# Altium PCB Robot-MainBoard V4.0.PcbDoc (part 2 of 2)
Units mm, origin at the board's own origin, x right, y up, seen from the top; angles counter-clockwise.
Board outline 220 x 90 mm, 2 copper layers (Top Layer, Bottom Layer); 80 components, 69 nets, 291 pads, 118 vias.
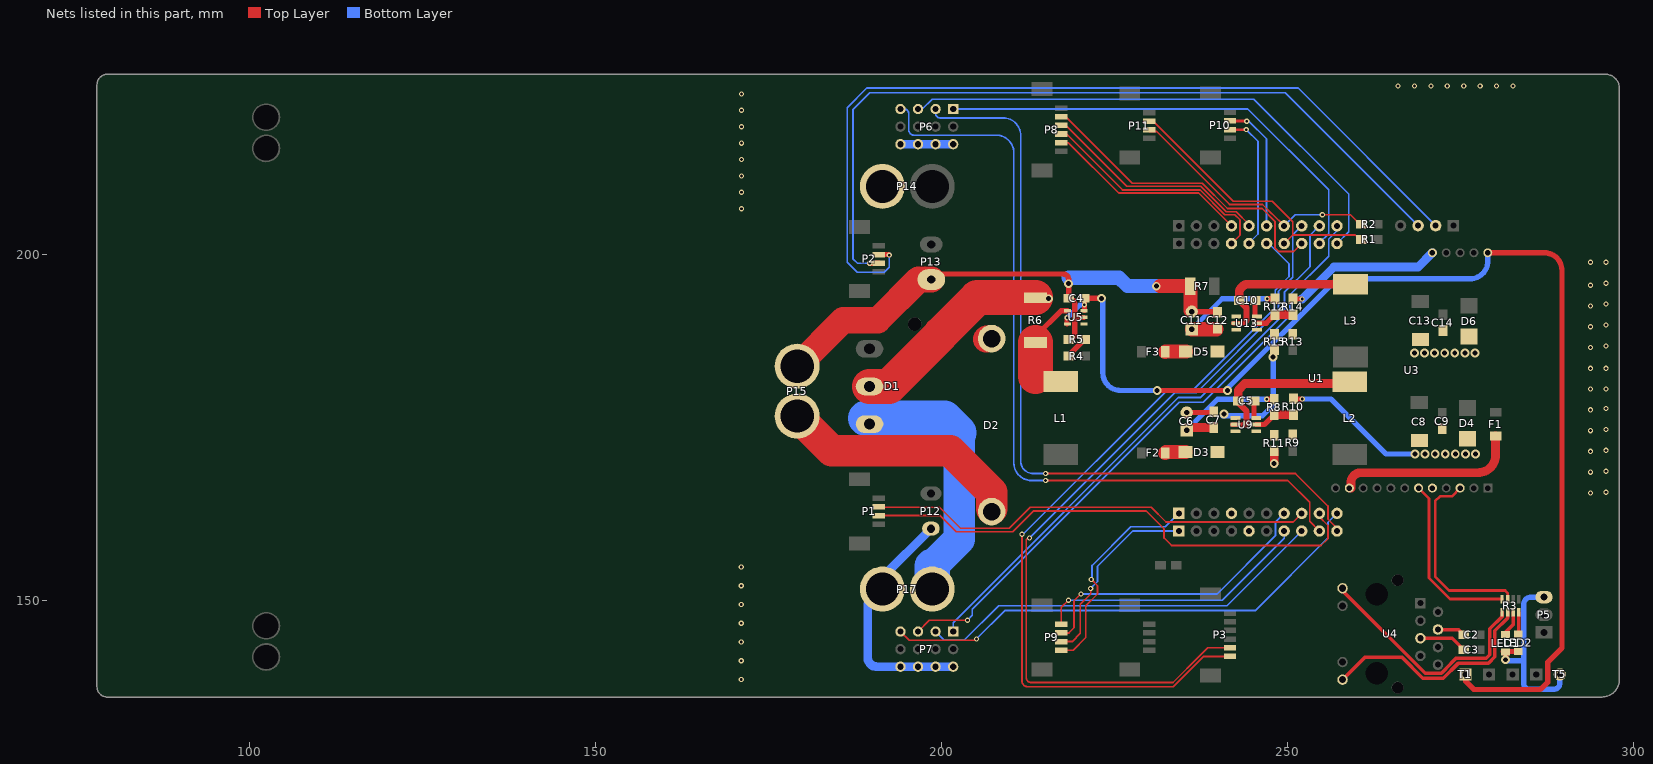
[diagram p2: the nets of this part, all layers, seen from the top]

## Via types
v1: diameter 0.762, hole 0.406, Top Layer to Bottom Layer, 58 vias
v2: diameter 1.27, hole 0.711, Top Layer to Bottom Layer, 49 vias
v3: diameter 0.762, hole 0.381, Top Layer to Bottom Layer, 11 vias

## Nets (pads, with @x,y where several pads share a name; then routed paths per layer and width w, separated by ;. In a path a pad name is that pad's centre, name@x,y a point inside that pad or via, vN(x,y) a via of type N, cw(c..) or ccw(c..) an arc to the next point about the centre after c; other vN are vias at no path point) (continued)
GND: C4.1 C6.2 C7.1 C8.2 C9.1 C11.2 C12.1 C13.2 C14.1 D4.1 D6.1 LED1.2 LED2.2 P5.3 P6.3 P6.6 P6.9 P6.12 P7.3 P7.6 P7.9 P7.12 P12.2 P13.2 P14.2 P15.2 P17.2 R5.2 R7.1 R10.1 R11.1 R14.1 R15.1 T5.1 U3.13 U5.2 U9.1 U13.1 | length 217.7
  Top Layer w0.762: P13.2@198.574,196.336 199.367,197.129 217.674,197.129 cw(c217.674,196.383) 218.42,196.383 v2(218.42,195.738) C4.1@218.42,193.624 cw(c218.42,192.73) 219.314,192.73 219.314,190.373 ; R5.2@218.433,187.675 ccw(c218.433,188.556) 219.314,188.556 219.314,190.373 ; U5.2@220.63,190.866 219.807,190.866 ccw(c219.807,190.373) 219.314,190.373 ; C6.2@235.482,177.114 239.267,177.114 C7.1@239.394,177.241 ; C11.2@236.219,191.694 C12.1@239.877,191.694 ; R14.1@250.829,193.536 v3(252.158,193.536) ; R10.1@250.905,179.083 v3(252.196,179.083) ; LED1.2@281.23,142.57 LED2.2@283.389,142.57 ; v2(281.574,141.387) LED1.2@281.574,142.534
  Top Layer w1.27: v2(248.126,169.774) R11.1@248.126,171.564
  Top Layer w2.032: v2@231.597,195.377 R7.1@236.017,195.377 C11.2@236.017,191.896
  Top Layer w3.81: P15.2@179.197,183.813 185.833,190.449 190.83,190.449 196.717,196.336 P13.2@198.574,196.336
  Bottom Layer w0.762: v2@240.69,176.657 246.431,176.657 248.005,178.231 248.005,185.091 v2(247.955,185.141) ; v3(252.196,179.083) 256.324,179.083 264.287,171.12 v2(268.478,171.12) ; v2(281.574,141.387) ccw(c281.711,141.387) 281.711,141.249 284.175,141.249 ; P5.3@287.12,150.435 285.26,150.435 ccw(c285.26,149.35) 284.175,149.35 284.175,141.249 ; T5.1@289.408,139.268 289.408,138.024 cw(c288.493,138.024) 288.493,137.109 285.064,137.109 cw(c285.064,137.998) 284.175,137.998 284.175,141.249
  Bottom Layer w1.27: P6.12@194.115,215.9 P6.9@196.655,215.9 P6.6@199.195,215.9 P6.3@201.735,215.9 ; P12.2@198.525,160.343 191.511,153.329 P17.2@191.511,151.613 189.382,149.484 189.382,141.732 ccw(c190.729,141.732) 190.729,140.386 P7.12@194.115,140.386 P7.9@196.655,140.386 P7.6@199.195,140.386 P7.3@201.735,140.386 ; v3(252.158,193.536) 256.768,198.145 268.928,198.145 U3.13@270.992,200.21
  Bottom Layer w2.032: 218.44,196.596 225.704,196.596 226.924,195.377 v2@231.597,195.377
  other v1: 171.1,138.544 171.1,141.253 171.1,143.963 171.1,146.672 171.1,149.381 171.1,152.091 171.1,154.8 293.853,165.506 296.088,165.608 293.853,168.506 296.088,168.628 293.853,171.505 296.088,171.649 293.853,174.505 296.088,174.669 293.853,177.504 296.088,177.689 293.853,180.504 296.088,180.504 293.853,183.503 296.088,183.503 293.853,186.503 296.088,186.75 293.853,189.502 296.088,189.77 293.853,192.502 296.088,192.791 293.853,195.501 296.088,195.811 293.853,198.831 296.088,198.831 171.148,206.575 171.148,208.944 171.148,211.314 171.148,213.683 171.148,216.053 171.148,218.422 171.148,220.792 171.148,223.161 266.027,224.3 268.4,224.3 270.773,224.3 273.146,224.3 275.519,224.3 277.892,224.3 280.265,224.3 282.639,224.3
  other v2: 269.934,171.12 271.391,171.12 272.847,171.12 274.303,171.12 275.759,171.12 277.216,171.12 240.868,176.911 268.402,185.725 269.858,185.725 271.314,185.725 272.771,185.725 274.227,185.725 275.683,185.725 277.139,185.725 231.089,195.377
I2C_SCL(E10): P1.2 U1.53 | length 65
  Top Layer w0.254: P1.2@190.999,163.478 191.042,163.436 199.764,163.436 202.8,160.4 209.864,160.4 212.9,163.436 230.364,163.436 232.5,161.3 250.865,161.3 U1.53@252.109,162.544
I2C_SDA(E12): P1.3 U1.52 | length 74.5
  Top Layer w0.254: P1.3@190.999,162.228 199.872,162.228 202.2,159.9 210.372,159.9 213.372,162.9 229.6,162.9 232.2,160.3 232.2,159 233.3,157.9 254.9,157.9 255.9,158.9 255.9,160.8 254.659,162.041 U1.52@254.659,162.544
IN_24V: C4.2 D1.2 R6.2 T1.1 U3.16 U5.3 U5.5 | length 202.1
  Top Layer w0.762: U5.5@218.2,189.946 v3(218.2,190.8) ; U5.3@220.7,191.886 v3(220.7,192.7) ; U5.3@220.706,191.892 C4.2@220.706,193.624 v2(223.164,193.624) ; v2(231.216,180.315) v2(241.376,180.315) ; T1.1@275.768,139.268 275.768,138.303 276.987,137.084 286.614,137.084 287.68,138.151 287.68,141.046 289.712,143.078 289.712,197.67 ccw(c287.172,197.67) 287.172,200.21 U3.16@278.992,200.21
  Top Layer w5.08: D1.2@189.648,180.883 192.474,180.883 199.923,188.333 199.923,188.423 205.223,193.723 R6.2@213.645,193.723
  Bottom Layer w0.762: v3(218.2,190.8) 220.1,192.7 v3(220.7,192.7) ; v2@223.368,193.624 223.368,182.855 ccw(c225.908,182.855) 225.908,180.315 v2(231.216,180.315) ; v2@241.236,180.48 257.2,196.444 276.452,196.444 ccw(c276.452,198.984) 278.992,198.984 U3.16@278.992,200.21
  other v2: 215.519,193.573
IO(D0): P11.2 R1.2 U1.7 | length 40
  Top Layer w0.254: P11.2@230.064,218.977 230.882,218.977 242.214,207.645 247.853,207.645 250.8,204.698 250.8,202.774 ; U1.7@249.569,201.542 250.8,202.774 ; R1.2@260.274,202.311 259.811,202.774 250.8,202.774
IO(D1): P11.3 R2.2 U1.14 | length 38
  Top Layer w0.254: P11.3@230.064,217.727 231.142,217.727 241.681,207.188 246.442,207.188 247.795,205.835 ; 247.811,205.85 U1.14@249.569,204.092 ; v1(255.092,205.689) 259.156,205.689 260.807,204.038 R2.2@261.087,204.038
  Bottom Layer w0.254: U1.14@249.569,204.092 251.191,205.715 v1@255.118,205.715
NetC2_2: C2.2 U4.4 | length 4
  Top Layer w0.508: U4.4@271.799,145.762 274.738,145.762 C2.2@275.5,145
NetC3_2: C3.2 U4.5 | length 6.9
  Top Layer w0.508: U4.5@269.259,144.492 273.849,144.492 C3.2@275.5,142.841
NetC5_1: C5.1 L2.1 U9.2 | length 23.8
  Top Layer w0.635: U9.2@242.087,175.377 243.803,175.377
  Top Layer w0.889: C5.1@242.925,178.511 244.144,177.292 244.144,175.717 cw(c243.803,175.717) 243.803,175.377
  Top Layer w1.27: C5.1@242.925,178.791 242.925,180.341 243.889,181.305 258.795,181.305 ccw(c258.795,181.565) L2.1@259.055,181.565
NetC5_2: C5.2 U9.6 | length 2.3
  Top Layer w0.762: U9.6@245.211,176.454 C5.2@245.211,178.791
NetC6_1: C6.1 C7.2 D3.2 R8.2 U9.3 | length 18.6
  Top Layer w0.762: v3(247.039,179.057) R8.2@248.126,179.057
  Top Layer w1.27: C6.1@235.482,174.574 cw(c235.863,174.574) 235.863,174.955 C7.2@239.394,174.955
  Bottom Layer w0.762: C6.1@235.482,174.574 239.965,179.057 v3(247.039,179.057)
NetC10_1: C10.1 L3.1 U13.2 | length 23.3
  Top Layer w0.635: U13.2@242.189,190.033 243.753,190.033 244.118,190.398
  Top Layer w0.889: C10.1@243.077,193.292 244.118,192.251 244.118,190.398
  Top Layer w1.27: C10.1@243.077,193.319 243.077,194.354 cw(c244.385,194.354) 244.385,195.662 L3.1@259.156,195.662
NetC10_2: C10.2 U13.6 | length 2.1
  Top Layer w0.762: U13.6@245.363,191.237 C10.2@245.363,193.319
NetC11_1: C11.1 C12.2 D5.2 R12.2 U13.3 | length 17.4
  Top Layer w0.762: v3(247.103,193.56) R12.2@248.228,193.56
  Top Layer w2.032: C11.1@236.219,189.154 C12.2@239.775,189.154
  Bottom Layer w0.762: C11.1@236.219,189.154 240.626,193.56 v3(247.103,193.56)
NetD2_1: D2.1 L1.1 R6.1 U5.4 | length 12.7
  Top Layer w0.762: R6.1@213.645,187.246 213.645,188.145 217.316,191.816 U5.4@218.23,191.816
  Top Layer w3.81: D2.1@206.5,187.7 206.6,187.8 D2.1@207.3,187.8
  Top Layer w5.08: 213.645,182.372 R6.1@213.645,187.246
NetD3_1: D3.1 F2.2 | length 3
  Top Layer w2.032: F2.2@232.384,171.272 232.511,171.399 D3.1@235.33,171.399
NetD5_1: D5.1 F3.2 | length 3
  Top Layer w2.032: F3.2@232.384,185.877 232.434,185.928 D5.1@235.355,185.928
NetLED1_1: LED1.1 R3.4 | length 3.8
  Top Layer w0.508: LED1.1@281.23,145.11 281.31,145.11 282.677,146.477 R3.4@282.677,148.245
NetLED2_1: LED2.1 R3.2 | length 3
  Top Layer w0.508: LED2.1@283.477,145.197 R3.2@283.477,148.245
NetR3_6: R3.6 U4.12 | length 33.1
  Top Layer w0.508: U4.12@258.009,138.522 261.245,141.757 266.598,141.757 269.621,138.735 272.582,138.735 274.696,140.849 274.696,140.889 279.095,140.889 280.011,141.805 280.011,145.569 281.877,147.434 R3.6@281.877,148.245
NetR3_8: R3.8 U4.9 | length 34.6
  Top Layer w0.508: U4.9@258.009,151.722 258.009,151.388 269.951,139.446 272.237,139.446 272.254,139.462 272.304,139.462 273.647,140.805 273.647,140.845 274.401,141.6 278.8,141.6 279.3,142.1 279.3,145.864 281.077,147.64 R3.8@281.077,148.245
NetR4_2: R4.2 R5.1 U5.1 | length 3.2
  Top Layer w0.762: R4.2@218.429,185.385 R5.1@220.719,187.675
NetR8_1: R8.1 R10.2 U9.5 | length 6
  Top Layer w0.762: U9.5@245.544,175.377 246.732,175.377 R8.1@248.126,176.771
  Top Layer w1.27: R8.1@248.126,176.771 248.152,176.797 R10.2@250.905,176.797
NetR9_1: R9.1 R11.2 U9.4
NetR12_1: R12.1 R14.2 U13.5 | length 5.7
  Top Layer w0.762: U13.5@245.645,190.033 246.986,190.033 R12.1@248.228,191.274
  Top Layer w1.27: R12.1@248.228,191.274 R14.2@250.804,191.274
NetR13_1: R13.1 R15.2 U13.4
PLC_3.3V: R3.7 U3.6 | length 25.5
  Top Layer w0.381: U3.6@268.992,166.21 268.992,166.208 270.5,164.7 270.5,153.2 273.535,150.165 R3.7@281.077,150.165
PLC_12V: F1.2 U3.11 | length 26.7
  Top Layer w1.27: U3.11@259.218,166.21 259.218,166.968 cw(c260.677,166.968) 260.677,168.427 277.584,168.427 ccw(c277.584,170.967) 280.124,170.967 F1.2@280.124,173.721
PLC_ETH: R3.5 U3.3 | length 27.6
  Top Layer w0.381: U3.3@274.992,166.21 273.8,165.018 272.118,165.018 271.4,164.3 271.4,153.4 273.4,151.4 281.5,151.4 281.877,151.023 R3.5@281.877,150.165
PLC_PWR: U3.5
POWER_24V: D1.3 P17.1 | length 38.6
  Bottom Layer w4.572: 198.711,154.911 202.6,158.8 202.6,174.2
  Bottom Layer w5.08: D1.3@189.1,176.3 200.5,176.3 202.6,174.2 ; P17.1@198.711,151.613 198.711,154.911
SPI1_MISO(B4): P8.4 U1.4 | length 34.9
  Top Layer w0.254: P8.4@217.364,217.372 218.137,217.372 226.212,209.296 237.402,209.296 241.008,205.689 242.443,205.689 243.18,204.953 243.18,202.763 U1.4@241.959,201.542
SPI1_MOSI(B5): P8.5 U1.17 | length 29.6
  Top Layer w0.254: P8.5@217.364,216.122 218.371,216.122 225.654,208.839 237.212,208.839 U1.17@241.959,204.092
SPI1_NSS(A15): P8.2 U1.8 | length 45.5
  Top Layer w0.254: P8.2@217.364,219.872 217.999,219.872 227.609,210.261 237.73,210.261 241.388,206.604 246.38,206.604 248.234,204.749 248.234,200.939 248.787,200.387 250.953,200.387 U1.8@252.109,201.542
SPI1_SCK(B3): P8.3 U1.16 | length 33.3
  Top Layer w0.254: P8.3@217.364,218.622 218.03,218.622 226.847,209.804 237.541,209.804 241.198,206.146 242.632,206.146 244.494,204.285 U1.16@244.494,204.092
SWD_SCK: P2.3 U1.63 | length 116.2
  Top Layer w0.762: v3(189.662,198.679) 189.686,198.703 P2.3@190.999,198.703
  Bottom Layer w0.254: v3(189.662,198.679) 187.909,198.679 187.249,199.339 187.249,220.904 189.662,223.317 249.733,223.317 U1.63@268.93,204.12
SWD_SDO: P2.2 U1.62 | length 127
  Top Layer w0.762: P2.2@190.999,199.953 192.401,199.953 v3(192.481,199.873)
  Bottom Layer w0.254: v3(192.481,199.873) 192.481,198.12 191.77,197.409 187.884,197.409 186.436,198.857 186.436,221.183 189.281,224.028 251.562,224.028 U1.62@271.47,204.12
T24.0V: D2.2 P15.1 | length 35.1
  Top Layer w4.572: P15.1@179.197,176.613 184.21,171.6 201.3,171.6 207.3,165.6 D2.2@207.3,163.2
TIM1(E9): P7.4 U1.48 | length 60
  Bottom Layer w0.254: P7.4@199.195,145.466 200.46,144.2 203.3,144.2 208.3,149.2 241.315,149.2 U1.48@252.109,159.994
TIM1(E11): P6.10 U1.49 | length 116.1
  Top Layer w0.254: v1(215.1,167.3) 250.1,167.3 253.264,164.136 253.264,161.388 U1.49@254.659,159.994
  Bottom Layer w0.254: P6.10@194.115,220.98 194.683,220.98 cw(c194.683,220.363) 195.3,220.363 195.3,218 ccw(c196.1,218) 196.1,217.2 207.96,217.2 cw(c207.96,214.66) 210.5,214.66 210.5,169.84 ccw(c213.04,169.84) 213.04,167.3 v1(215.1,167.3)
TIM1(E13): P6.4 U1.50 | length 113.3
  Top Layer w0.254: v1(215.1,168.3) 251.2,168.3 ; 251.2,168.3 255.9,163.6 255.9,161.7 257.199,160.401 U1.50@257.199,159.994
  Bottom Layer w0.254: P6.4@199.195,220.98 199.195,220.353 ccw(c199.847,220.353) 199.847,219.7 208.96,219.7 cw(c208.96,217.16) 211.5,217.16 211.5,170.1 ccw(c213.3,170.1) 213.3,168.3 v1(215.1,168.3)
TIM1(E14): P7.10 U1.51 | length 72.5
  Top Layer w0.254: P7.10@194.115,145.466 195.38,144.2 204.9,144.2 v1(205.1,144.4)
  Bottom Layer w0.254: v1(205.1,144.4) 209.2,148.5 245.4,148.5 255.9,159 255.9,161.245 U1.51@257.199,162.544
TIM3(B0): P9.1 U1.47 | length 39.8
  Top Layer w0.254: P9.1@217.364,146.521 217.364,148.964 v1(218.4,150)
  Bottom Layer w0.254: v1(218.4,150) 240.6,150 249.569,158.969 U1.47@249.569,159.994
TIM3(B1): P9.2 U1.54 | length 42.8
  Top Layer w0.254: P9.2@217.364,145.271 218.471,145.271 219.2,146 219.2,149.9 v1(220.2,150.9)
  Bottom Layer w0.254: v1(220.2,150.9) 239.9,150.9 248.3,159.3 248.3,161.275 U1.54@249.569,162.544
TIM4(D12): P6.7 U1.10 | length 76.4
  Bottom Layer w0.254: P6.7@196.655,220.98 197.28,220.98 198.7,222.4 245.2,222.4 258.9,208.7 258.9,203.244 U1.10@257.199,201.542
TIM4(D13): P7.7 U1.11 | length 89
  Top Layer w0.254: P7.7@196.655,145.466 198.289,147.1 v1(203.8,147.1)
  Bottom Layer w0.254: v1(203.8,147.1) 204.5,147.8 204.5,148.7 234.4,178.6 237.9,178.6 250.4,191.1 250.4,194.1 256,199.7 256,202.2 257.199,203.399 U1.11@257.199,204.092
TIM4(D14): P6.1 U1.9 | length 67.4
  Bottom Layer w0.254: P6.1@201.735,220.98 244.32,220.98 256,209.3 256,202.983 254.659,201.641 U1.9@254.659,201.542
TIM4(D15): P7.1 U1.12 | length 82.4
  Bottom Layer w0.254: P7.1@201.735,145.466 201.735,146.735 234.3,179.3 237.5,179.3 249.6,191.4 249.6,194.5 253.3,198.2 253.3,202.734 U1.12@254.659,204.092
TIM10(F6): P9.3 U1.41 | length 27.8
  Top Layer w0.254: P9.3@217.364,144.021 218.921,144.021 220.1,145.2 220.1,149.4 221.6,150.9 v1(221.6,151.7)
  Bottom Layer w0.254: v1(221.6,151.7) 222.6,152.7 222.6,154.9 227.694,159.994 U1.41@234.339,159.994
TIM11(F7): P9.4 U1.60 | length 31.6
  Top Layer w0.254: P9.4@217.364,142.771 219.071,142.771 220.9,144.6 220.9,149.2 222.6,150.9 222.6,152.1 v1(221.7,153)
  Bottom Layer w0.254: v1@221.8,152.8 221.8,155 227.4,160.6 232.395,160.6 U1.60@234.339,162.544
U1_RX(A10): U1.57
U1_TX(A9): U1.45
U5_RX(D2): P3.6 U1.6 | length 115.3
  Top Layer w0.254: P3.6@241.748,141.872 237.925,141.872 237.306,141.253 237.3,141.253 233.547,137.5 212.5,137.5 cw(c212.5,138.316) 211.684,138.316 v1(211.684,159.516) ; v1(211.684,159.516) ccw(c211.6,159.516) 211.6,159.6 v1(211.684,159.516)
  Bottom Layer w0.254: v1@211.9,159.6 232.8,180.5 236.5,180.5 248.285,192.285 248.285,194.804 250.266,196.785 250.266,198.603 247.326,201.542 U1.6@247.034,201.542
U5_TX(C12): P3.5 U1.13 | length 115.5
  Top Layer w0.254: v1@212.573,159 212.3,158.727 212.3,138.8 ccw(c213,138.8) 213,138.1 233.5,138.1 237.46,142.06 237.466,142.06 238.528,143.122 P3.5@241.748,143.122
  Bottom Layer w0.254: v1(212.775,159) 233.775,180 236.9,180 248.742,191.842 248.742,194.615 250.825,196.698 250.825,202.809 U1.13@252.109,204.092
U6_RX(G9): P10.2 U1.15 | length 18.9
  Top Layer w0.381: P10.2@241.748,219.257 244.116,219.257 v3(244.145,219.227)
  Bottom Layer w0.254: v3(244.145,219.227) 244.45,219.227 247.034,216.643 U1.15@247.034,204.092
U6_TX(G14): P10.3 U1.5 | length 20.1
  Top Layer w0.381: P10.3@241.748,218.007 241.75,218.008 v3(244.094,218.008)
  Bottom Layer w0.254: v3(244.094,218.008) 245.796,216.306 245.796,202.921 244.494,201.618 U1.5@244.494,201.542
pads on no net: D1.0 P1.0 P2.0 P3.0 P4.0 P6.5 P6.8 P6.11 P7.5 P7.8 P7.11 P8.0 P9.0 P10.0 P11.0 P16.0 P18.0 U1.1 U1.42 U1.44 U1.46 U1.55 U1.56 U1.58 U1.59 U3.0 U3.2 U3.4 U3.14 U3.15 U4.7 U4.MH3

## Polygon pours and split planes (outlines as drawn)
GND on Top Layer "Top Layer-No Net" (hatched 90Degree grid 0.762 track 0.254, remove dead copper, pour order 12): 170.1,218.8 170.1,226.96 cw(c172.64,226.96) 172.64,229.5 173.7,229.5 298.56,229.5 cw(c298.56,226.96) 301.1,226.96 301.1,213.5 301.1,135.74 cw(c298.56,135.74) 298.56,133.2 289.7,133.2 172.74,133.2 cw(c172.74,135.74) 170.2,135.74 170.2,141.4
GND on Bottom Layer "Top Layer-No Net" (hatched 90Degree grid 0.762 track 0.254, remove dead copper, pour order 14): 170,221.9 170,228.2 cw(c170.7,228.2) 170.7,228.9 297.96,228.9 cw(c297.96,226.36) 300.5,226.36 300.5,208.4 300.5,130.04 cw(c297.96,130.04) 297.96,127.5 283.8,127.5 172.54,127.5 cw(c172.54,130.04) 170,130.04 170,142

## Keep-outs
Keep-Out Layer:
  circle w0.254: c207.475,157.725 r1.5
  circle w0.254: c207.275,206.25 r1.5
  circle w0.254: c81,158 r1.5
  circle w0.254: c81,204 r1.5
  circle w0.254: c295,204 r1.5
  circle w0.254: c295,158 r1.5
  lines w0.254: 127.9,176.5 cw(c127.9,175.2) 129.2,175.2 129.2,142.79 cw(c127.91,142.79) 127.91,141.5 121.766,141.5 cw(c121.766,143.066) 120.2,143.066 120.2,175.489 cw(c121.211,175.489) 121.211,176.5 128,176.5 ; 129.2,219.4 ccw(c127.9,219.4) 127.9,220.7 121.291,220.7 ccw(c121.291,219.609) 120.2,219.609 120.2,187.892 ccw(c121.392,187.892) 121.392,186.7 127.91,186.7 ccw(c127.91,187.99) 129.2,187.99 129.2,219.5 ; 145.868,137.452 cw(c147.516,137.452) 147.516,139.1 154.92,139.1 cw(c154.92,137.452) 156.568,137.452 ; 146.86,224.549 ccw(c148.508,224.549) 148.508,222.901 155.912,222.901 ccw(c155.912,224.549) 157.56,224.549 ; 147.244,198.001 ccw(c147.26,199.178) 148.438,199.161 cw(c149.39,199.022) 149.53,199.974 153.543,199.974 cw(c153.632,199.098) 154.508,199.187 ccw(c155.673,199.165) 155.651,198.001 147.447,198.001 ; 147.726,168.003 ccw(c147.743,169.181) 148.92,169.164 cw(c149.873,169.024) 150.012,169.977 154.026,169.977 cw(c154.114,169.1) 154.991,169.189 ccw(c156.155,169.168) 156.134,168.003 147.93,168.003 ; 155.55,193.997 147.345,193.997 cw(c147.324,192.833) 148.488,192.811 ccw(c149.365,192.9) 149.454,192.024 153.467,192.024 ccw(c153.606,192.976) 154.559,192.837 cw(c155.736,192.82) 155.753,193.997 ; 156.007,164 147.803,164 cw(c147.781,162.836) 148.946,162.814 ccw(c149.822,162.903) 149.911,162.027 153.924,162.027 ccw(c154.064,162.979) 155.016,162.839 cw(c156.193,162.823) 156.21,164 ; 172.318,156.234 cw(c173.157,156.234) 173.157,157.072 180.828,157.072 cw(c180.828,156.147) 181.753,156.147 ; 172.318,156.259 172.318,139.367 ccw(c173.192,139.367) 173.192,138.494 180.813,138.494 ccw(c180.813,139.434) 181.753,139.434 181.753,156.259 ; 172.49,206.326 172.49,223.151 cw(c173.43,223.151) 173.43,224.091 181.051,224.091 cw(c181.051,223.218) 181.925,223.218 181.925,206.326 ; 172.49,206.438 ccw(c173.415,206.438) 173.415,205.513 181.086,205.513 ccw(c181.086,206.351) 181.925,206.351 ; 78,137.5 ccw(c79.5,137.5) 79.5,136 295.5,136 ccw(c295.5,138.5) 298,138.5 298,224 ccw(c296,224) 296,226 79.5,226 ccw(c79.5,224.5) 78,224.5 78,137.5 ; 140.968,164.5 ccw(c141.468,164.5) 141.468,164 162.185,164 ccw(c162.185,164.783) 162.968,164.783 162.968,167.154 ccw(c162.122,167.154) 162.122,168 141.668,168 ccw(c141.668,167.3) 140.968,167.3 140.968,164.5 ; 140.968,194.5 ccw(c141.468,194.5) 141.468,194 162.185,194 ccw(c162.185,194.783) 162.968,194.783 162.968,197.154 ccw(c162.122,197.154) 162.122,198 141.668,198 ccw(c141.668,197.3) 140.968,197.3 140.968,194.5

## Other copper
Top Layer:
  rectangle net NetD2_1: 206.4,182.2 216.3,189.9
  rectangle net GND: 188.671,148.514 193.827,155.169
  rectangle net GND: 186.157,206.223 194.412,213.614
  rectangle net GND: 194.056,194.056 201.371,198.196
  rectangle net GND: 175.819,181.051 182.474,188.747
  rectangle net GND: 234.696,190.703 237.896,193.294
  rectangle net 24.0V: 214.935,169.697 228.244,172.517
  rectangle net 24.0V: 226.416,169.697 229.667,186.69
  rectangle net NetC6_1: 234.746,173.05 243.179,174.727
  rectangle net NetR4_2: 220.198,187.02 221.544,190.144
  rectangle net GND: 267.842,184.912 277.8,189.611
  rectangle net 5.0V: 268.021,190.729 278.129,193.548
  rectangle net GND: 235.965,190.703 243.204,191.973
  rectangle net NetC11_1: 238.784,185.014 243.128,189.128
  rectangle net NetC11_1: 235.33,187.96 243.356,189.357
  rectangle net NetR13_1: 244.957,187.808 251.383,189.255
  rectangle net GND: 267.867,170.307 277.773,175.336
  rectangle net 12.0V: 267.716,176.378 280.924,178.918
  rectangle net GND: 235.279,176.073 243.077,177.165
  rectangle net NetR9_1: 244.855,173.203 251.332,174.676
  rectangle net NetC6_1: 238.911,170.536 243.153,174.371
  rectangle net 5.0V: 263.119,190.729 268.148,194.031
  rectangle net 5.0V: 284.353,144.424 288.544,148.946
  text "传承创新" at 79.987,222.047 h3.81 r270
  text "自强不息" at 79.758,153.289 h3.81 r270
Bottom Layer:
  rectangle net GND: 188.62,148.361 193.904,155.27
  rectangle net GND: 188.443,206.426 194.361,216.6
  rectangle net GND: 175.666,181.127 182.397,188.595
  rectangle net 5.0V: 263.068,190.754 268.376,194.234
  rectangle net IN_24V: 215.113,189.179 223.749,194.767

## Silkscreen, mask and mechanical layers (free items; w line width, h text height)
Top Overlay:
  lines w0.254: 74.494,224.575 75,226.1 ; 74.59,137.623 75.1,136.1 ; 74.746,226.1 75.254,226.1 ; 74.846,136.1 75.354,136.1 ; 75.044,186.204 75,226.1 ; 75.056,175.996 75.1,136.1 ; 75.51,224.577 75,226.1 ; 75.606,137.625 75.1,136.1 ; 78,133.646 78,134.154 ; 78,228.646 78,229.154 ; 79.524,133.392 78,133.9 ; 79.524,134.408 78,133.9 ; 79.524,228.392 78,228.9 ; 79.524,229.408 78,228.9 ; 84,136 84,226 ; 118.896,228.9 78,228.9 ; 129.104,228.9 170,228.9 ; 168.476,228.392 170,228.9 ; 168.476,229.408 170,228.9 ; 170,228.646 170,229.154 ; 182.1,136.9 183.6,136.9 185.4,136.9 ; 182.1,137 182.1,153.7 183.3,153.7 185.4,153.7 ; 182.1,140.5 187.5,140.5 ; 182.1,143.6 187.5,143.6 ; 182.1,146.7 187.5,146.7 ; 182.1,150 187.5,150 ; 182.134,133.9 78,133.9 ; 182.2,208.2 183.7,208.2 185.5,208.2 ; 182.2,208.3 182.2,225 183.4,225 185.5,225 ; 182.2,211.8 187.6,211.8 ; 182.2,214.9 187.6,214.9 ; 182.2,218 187.6,218 ; 182.2,221.3 187.6,221.3 ; 185.3,136.9 187.5,136.9 187.5,153.7 185.4,153.7 ; 185.4,208.2 187.6,208.2 187.6,225 185.5,225 ; 185.7,136.9 185.4,136.9 ; 185.8,208.2 185.5,208.2 ; 193.866,133.9 298,133.9 ; 195.4,139.2 195.4,146.7 ; 195.4,214.7 195.4,222.2 ; 197.9,214.7 197.9,222.2 ; 198,139.2 198,146.7 ; 200.5,139.216 200.5,146.7 ; 200.6,214.7 200.6,222.2 ; 292,136 292,226 ; 292.785,181.737 297.785,181.737 ; 296.476,133.392 298,133.9 ; 296.476,134.408 298,133.9 ; 298,133.646 298,134.154 ; 173.1,157.8 173.1,171.7 ; 173.1,157.8 176,157.8 ; 173.1,157.8 170.2,157.8 170.2,171.7 173.1,171.7 ; 173.1,157.8 173.1,171.7 ; 173.1,171.7 176,171.7 ; 173.5,190.7 173.5,204.6 ; 173.5,190.7 170.6,190.7 170.6,204.6 173.5,204.6 ; 173.5,190.7 176.4,190.7 ; 173.5,190.7 173.5,204.6 ; 173.5,204.6 176.4,204.6 ; 176,157.8 176,171.7 ; 176,157.8 176,171.7 ; 176,157.8 178.9,157.8 ; 176,171.7 178.9,171.7 ; 176.4,190.7 179.3,190.7 ; 176.4,190.7 176.4,204.6 ; 176.4,190.7 176.4,204.6 ; 176.4,204.6 179.3,204.6 ; 178.9,157.8 178.9,171.7 ; 178.9,157.8 181.8,157.8 181.8,171.7 178.9,171.7 ; 178.9,157.8 178.9,171.7 ; 179.3,190.7 179.3,204.6 ; 179.3,190.7 182.2,190.7 182.2,204.6 179.3,204.6 ; 179.3,190.7 179.3,204.6 ; 185.4,136.9 185.4,153.7 ; 185.4,136.9 185.4,151.6 185.4,153.7 ; 185.5,208.2 185.5,225 ; 185.5,208.2 185.5,222.9 185.5,225 ; 183.7,136.9 183.7,153.7 183.7,151.6 183.7,136.9 ; 183.8,208.2 183.8,225 183.8,222.9 183.8,208.2
  text "92 (mm)" at 119.15,227.986 h1.52
  text "设备" at 184.109,224.8 h1.6 r270
  text "编号" at 185.9,224.6 h1.6 r270
  text "PWM" at 182.4,224.5 h1.8 r270
  text "①" at 193.2,223.1 h2.03
  text "②" at 195.767,223.1 h2.03
  text "③" at 198.333,223.1 h2.03
  text "④" at 200.9,223.1 h2.03
  text "左上" at 184.17,221.1 h1.6 r270
  text "E11" at 182.4,220.8 h1.7 r270
  text "+3.3V" at 218.695,220.574 h1.52
  text "①" at 185.9,220.4 h1.8 r270
  text "S" at 203.5,220.1 h2.03
  text "+3.3V" at 231.242,220.015 h1.52
  text "+3.3V" at 243.078,219.862 h1.52
  text "NSS(A15)" at 218.694,219.446 h1.52
  text "RX(G9)" at 243.077,218.787 h1.52
  text "D0" at 231.24,218.717 h1.52
  text "SCK(B3)" at 218.694,218.191 h1.52
  text "左中" at 184.1,217.9 h1.6 r270
  text "④24V" at 203.4,217.7 h2.03
  text "D12" at 182.4,217.6 h1.7 r270
  text "TX(G14)" at 243.077,217.585 h1.52
  text "D1" at 231.24,217.413 h1.52
  text "②" at 185.9,217.2 h1.8 r270
  text "MISO(B4)" at 218.694,216.936 h1.52
  text "GND" at 243.077,216.256 h1.52
  text "GND" at 231.24,216.129 h1.52
  text "左上" at 147.81,215.748 h3.81
  text "MOSI(B5)" at 218.694,215.681 h1.52
  text "ROV Master" at 253.8,215.5 h5
  text "-" at 203.5,214.9 h3.05
  text "左上" at 184.147,214.8 h1.6 r270
  text "GND" at 218.694,214.3 h1.52
  text "③" at 185.9,214.2 h1.8 r270
  text "E13" at 182.4,214.1 h1.7 r270
  text "机手" at 184.103,211.4 h1.6 r270
  text "D14" at 182.4,211.3 h1.7 r270
  text "④" at 185.9,210.9 h1.8 r270
  text "E13" at 162.916,209.88 h3.81
  text "①" at 138.405,209.042 h5.08
  text "↑" at 185.3,207.2 h2.03 r318.81
  text "12V" at 201.6,203.4 h2.03 r270
  text "12V" at 190.5,203 h2.03
  text "预留接口" at 180,201.6 h2.2 r270
  text "3.3" at 182.6,200.8 h1.52
  text "UART" at 171.2,199.9 h2.2 r270
  text "I2C" at 174.1,199.5 h2.2 r270
  text "SDO" at 182.6,199.5 h1.52
  text "SPI" at 177,199.4 h2.2 r270
  text "SCK" at 182.6,198.3 h1.52
  text "GND" at 201.6,198 h2.03 r270
  text "GND" at 182.6,197 h1.52
  text "↑" at 184.1,194.6 h2.03 r303.69
  text "90 (mm)" at 74.13,185.949 h1.52 r270.06
  text "左中" at 148.04,185.87 h3.81
  text "↑" at 173,181.6 h2.03 r270
  text "D12" at 162.839,178.867 h3.81
  text "②" at 138.252,178.816 h5.08
  text "垂推" at 148.209,173.152 h3.81
  text "变焦摄像头" at 176.6,169.8 h2.2 r270
  text "预留接口" at 179.6,168.7 h2.2 r270
  text "4路PWM" at 170.8,168.3 h2.2 r270
  text "USB接口" at 173.6,168.2 h2.2 r270
  text "5V" at 190.9,166.6 h2.03
  text "5V" at 201.7,166.4 h2.03 r270
  text "3.3V" at 182.4,164.3 h1.52
  text "SCL" at 183.1,163 h1.52
  text "GND" at 201.6,162 h2.03 r270
  text "SDA" at 183.1,161.7 h1.52
  text "GND" at 183.1,160.3 h1.52
  text "↑" at 191.5,157.3 h2.03 r48.81
  text "右上" at 147.814,155.626 h3.81
  text "↑" at 186.7,155.5 h2.03 r228.81
  text "设备" at 184.009,153.5 h1.6 r270
  text "编号" at 185.8,153.3 h1.6 r270
  text "PWM" at 182.3,153.2 h1.8 r270
  text "-" at 287.553,152.019 h5.08 r270
  text "右下" at 184.07,149.8 h1.6 r270
  text "E9" at 163.373,149.631 h3.81
  text "E14" at 182.3,149.5 h1.7 r270
  text "⑤" at 185.8,149.1 h1.8 r270
  text "+5" at 288.544,149.098 h2.54 r270
  text "⑦" at 138.252,148.768 h5.08
  text "+" at 290.5,148.4 h2.03 r270
  text "+5.0V" at 243.321,147.441 h1.52
  text "右中" at 184,146.6 h1.6 r270
  text "+5" at 288.493,146.355 h2.54 r270
  text "D13" at 182.3,146.3 h1.7 r270
  text "D-" at 243.32,146.18 h1.52
  text "TIM3(B0)" at 218.402,146.12 h1.52
  text "⑥" at 185.8,145.9 h1.8 r270
  text "+" at 290.52,145.9 h2.03 r270
  text "+5.0V" at 231.343,145.872 h1.52
  text "D+" at 243.32,144.93 h1.52
  text "TIM3(B1)" at 218.402,144.824 h1.52
  text "S" at 203.4,144.7 h2.03
  text "D-" at 231.342,144.704 h1.52
  text "GND" at 243.32,143.692 h1.52
  text "TIM10(F6)" at 218.402,143.58 h1.52
  text "右上" at 184.047,143.5 h1.6 r270
  text "D+" at 231.342,143.485 h1.52
  text "⑦" at 185.8,142.9 h1.8 r270
  text "E9" at 182.3,142.8 h1.7 r270
  text "TX(C12)" at 243.2,142.5 h1.52
  text "TIM11(F7)" at 218.402,142.31 h1.52
  text "⑧5V" at 203.4,142.3 h1.52
  text "GND" at 231.342,142.24 h1.52
  text "RX(D2)" at 243.32,141.319 h1.52
  text "云台" at 184.003,140.1 h1.6 r270
  text "D15" at 182.3,140 h1.7 r270
  text "⑧" at 185.8,139.6 h1.8 r270
  text "-" at 203.4,139.4 h3.05
  text "⑤" at 193.1,137.2 h2.03
  text "⑥" at 195.633,137.2 h2.03
  text "⑦" at 198.167,137.2 h2.03
  text "⑧" at 200.7,137.2 h2.03
  text "220 (mm)" at 182.388,132.986 h1.52
Bottom Overlay:
  text "③" at 138.379,212.649 h5.08 r180
  text "E11" at 162.992,212.471 h3.81 r180
  text "左下" at 147.824,206.502 h3.81 r180
  text "垂推" at 147.828,188.722 h3.81 r180
  text "⑥" at 138.252,182.372 h5.08 r180
  text "D13" at 162.789,181.712 h3.81 r180
  text "右中" at 148.043,176.686 h3.81 r180
  text "E14" at 163.398,152.4 h3.81 r180
  text "⑤" at 138.074,152.248 h5.08 r180
  text "." at 138.43,148.082 h5.08 r180
  text "右下" at 147.828,146.837 h3.81 r180
Top Solder:
  text "传承创新" at 80.012,222.072 h3.81 r270
  text "自强不息" at 79.733,153.289 h3.81 r270
Bottom Solder:
  lines w0.254: 145.868,137.452 cw(c144.327,137.532) 144.247,135.992 158.081,135.992 158.09,136 cw(c158.055,137.487) 156.568,137.452 ; 146.86,224.549 ccw(c145.374,224.514) 145.339,226.001 145.347,226.009 159.182,226.009 ccw(c159.101,224.468) 157.56,224.549

## Text inside footprints (layer, text, board x,y; h text height)
C6: Top Overlay "+" at 234.568,175.235 h2 r90
C11: Top Overlay "+" at 235.305,189.814 h2 r90
D2: Top Overlay "+" at 205.3,185.3 h5 r270
P12: Top Overlay "V" at 194.256,165.904 h1.27 r270; Top Overlay "V" at 194.256,160.851 h1.27 r270
P13: Top Overlay "V" at 194.305,201.897 h1.27 r270; Top Overlay "V" at 194.305,196.844 h1.27 r270
P14: Top Overlay "-" at 193.129,205.787 h2.03; Top Overlay "+" at 197.016,205.584 h2.03; Top Overlay "+" at 198.006,203.907 h3
P15: Top Overlay "-" at 175.184,182.194 h2.03 r270; Top Overlay "+" at 174.981,178.308 h2.03 r270; Top Overlay "+" at 173.304,177.317 h3 r270
P16: Bottom Overlay "Electric Wire Connector" at 100.106,148.788 h6 r270
P17: Top Overlay "-" at 193.129,147.599 h2.03; Top Overlay "+" at 197.016,147.396 h2.03
P18: Top Overlay "Electric Wire Connector" at 100.2,212.8 h6 r270
U1: Top Overlay "3.3" at 238.612,205.647 h1.52; Top Overlay "3.3" at 273.182,205.575 h1.52; Top Overlay "G9" at 246.355,205.661 h1.52; Top Overlay "G14" at 243.256,198.769 h1.52; Top Overlay "E14" at 256.316,164.225 h1.52; Top Overlay "E12" at 253.827,164.225 h1.52; Top Overlay "E10" at 251.338,164.225 h1.52; Top Overlay "B1" at 248.848,164.225 h1.52; Top Overlay "A5" at 243.871,164.244 h1.52; Top Overlay "A10" at 241.051,164.199 h1.52; Top Overlay "F9" at 236.402,164.229 h1.52; Top Overlay "F7" at 233.913,164.244 h1.52; Top Overlay "C2" at 238.893,164.229 h1.52; Top Overlay "C5" at 246.361,164.229 h1.52; Top Overlay "A15" at 251.13,198.769 h1.52; Top Overlay "D14" at 254.055,198.755 h1.52; Top Overlay "D12" at 256.646,198.755 h1.52; Top Overlay "D13" at 256.519,205.661 h1.52; Top Overlay "D15" at 253.928,205.661 h1.52; Top Overlay "C12" at 251.079,205.661 h1.52; Top Overlay "D1" at 248.996,205.647 h1.52; Top Overlay "D0" at 248.717,198.755 h1.52; Top Overlay "D2" at 246.355,198.755 h1.52; Top Overlay "B4" at 241.101,198.755 h1.52; Top Overlay "B3" at 243.883,205.661 h1.52; Top Overlay "B5" at 241.355,205.661 h1.52; Top Overlay "-" at 238.915,198.335 h3.81; Top Overlay "-" at 236.479,198.335 h3.81; Top Overlay "BT0" at 233.304,198.896 h1.52; Top Overlay "5V" at 236.301,205.788 h1.52; Top Overlay "24V" at 233.065,205.774 h1.52; Top Overlay "C4" at 246.293,157.549 h1.52; Top Overlay "C3" at 241.23,157.549 h1.52; Top Overlay "C1" at 238.698,157.544 h1.52; Top Overlay "E13" at 256.418,157.544 h1.52; Top Overlay "E11" at 253.886,157.544 h1.52; Top Overlay "E9" at 251.355,157.549 h1.52; Top Overlay "B0" at 248.823,157.549 h1.52; Top Overlay "A9" at 243.761,157.544 h1.52; Top Overlay "F8" at 236.165,157.549 h1.52; Top Overlay "F6" at 233.634,157.549 h1.52; Top Overlay "SDO" at 270.261,205.728 h1.52; Top Overlay "SCK" at 267.517,205.702 h1.52; Top Overlay "-" at 265.892,205.296 h3.81
U3: Bottom Overlay "NC" at 274.65,197.333 h1.4 r270; Bottom Overlay "NC" at 276.606,197.307 h1.4 r270; Bottom Overlay "AC/L" at 270.535,196.393 h1.4 r270; Bottom Overlay "AC/N" at 278.74,196.113 h1.4 r270; Bottom Overlay "GND" at 256.515,167.792 h1.52 r270; Bottom Overlay "12V" at 258.507,167.791 h1.52 r270; Bottom Overlay "RXN" at 260.414,167.691 h1.52 r270; Bottom Overlay "RXP" at 262.42,167.691 h1.52 r270; Bottom Overlay "TXN" at 264.427,167.692 h1.52 r270; Bottom Overlay "TXP" at 266.434,167.692 h1.52 r270; Bottom Overlay "3.3V" at 268.454,167.691 h1.52 r270; Bottom Overlay "PWR" at 270.447,167.691 h1.52 r270; Bottom Overlay "PLC" at 272.467,167.691 h1.52 r270; Bottom Overlay "ETH" at 274.46,167.691 h1.52 r270; Bottom Overlay "RST" at 276.481,167.691 h1.52 r270; Bottom Overlay "GND" at 278.587,167.792 h1.52 r270
U6: Bottom Overlay "ESC" at 144.068,214.2 h8 r180
U7: Bottom Overlay "ESC" at 143.968,154.1 h8 r180
U8: Bottom Overlay "ESC" at 143.868,183.9 h8 r180
U10: Top Overlay "ESC" at 144.068,148 h8
U11: Top Overlay "ESC" at 144.068,177.65 h8
U12: Top Overlay "ESC" at 144.068,208.3 h8